# Altium PCB PicoBOB_DLX.pcbdoc (part 4 of 4)
Units mil, origin at the board's own origin, x right, y up, seen from the top; angles counter-clockwise.
Board outline 2219.49 x 2559.06 mil, 4 copper layers (Top Layer, G1_GND, G2_PWR, Bottom Layer), stack 23.756 mil thick; 146 components, 117 nets, 2972 pads, 241 vias.
Unrouted connection lines stored in the file: 14.
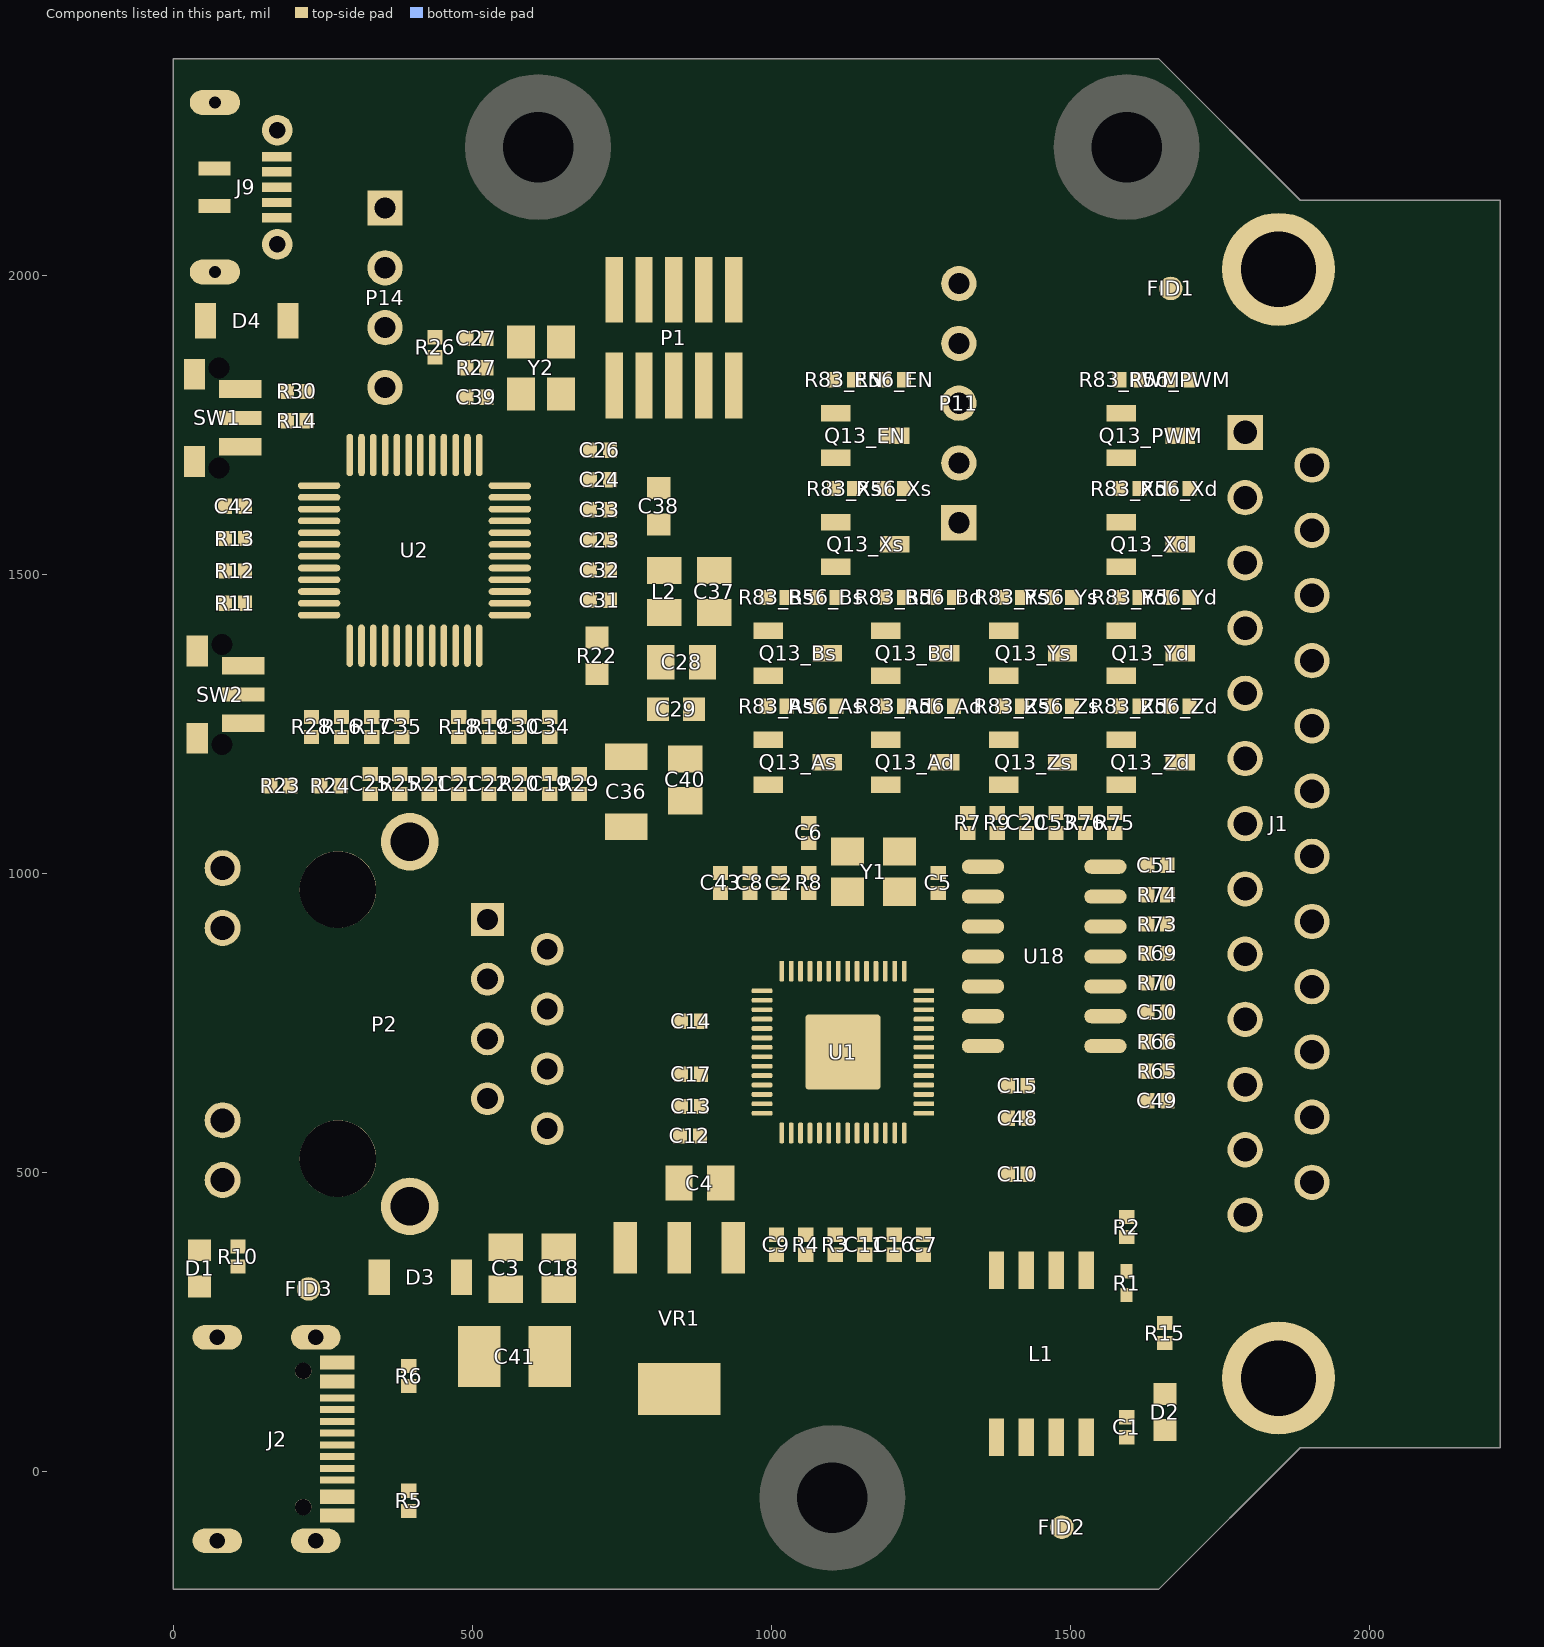
[diagram p6: the components of this part, seen from the top]

## Silkscreen, mask and mechanical layers (free items; w line width, h text height) (continued)
Bottom Solder:
  region: 2147.87,329.23 2171.47,328.04 2171.47,332.87 2148.3,331.67 cw(c2148.31,334.36) 2145.65,333.9 cw(c2151.69,334.13) 2145.67,334.65 2149.72,357.71 2141.13,354.6 cw(c2140.25,357.79) 2140.53,354.49 cw(c2140.53,356.23) 2139.17,355.13 2118.71,380.4 2116.05,374.71 cw(c2114.48,375.45) 2114.48,373.71 cw(c2114.48,375.45) 2113.93,373.79 2098.57,378.79 2101.66,364.23 cw(c2099.66,364.03) 2100.64,362.27 2094.01,359.46 2106.2,348.1 cw(c2105,346.83) 2106.74,346.83 cw(c2104.94,346.88) 2105.22,345.1 cw(c2105.4,358.71) 2104.67,345.12 2076.42,350.59 2081.5,341.81 cw(c2079.99,340.93) 2081.74,340.93 cw(c2079.99,340.93) 2080.77,339.37 2063.27,330.46 2080.77,321.54 cw(c2079.99,319.98) 2081.74,319.98 cw(c2079.99,319.98) 2081.5,319.1 2076.42,310.32 2104.67,315.8 cw(c2104.81,313.82) 2106.73,314.3 cw(c2104.74,314.18) 2106.2,312.82 2094.01,301.46 2100.64,298.64 cw(c2099.95,297.04) 2101.7,297.04 2098.57,282.13 2113.93,287.12 cw(c2114.48,285.46) 2114.48,287.21 cw(c2114.48,285.46) 2116.05,286.21 2118.71,280.52 2139.17,305.78 cw(c2140.53,304.68) 2140.53,306.43 cw(c2140.53,304.68) 2141.13,306.32 2149.72,303.2 2145.67,326.27 cw(c2156.68,327.2) 2145.64,326.83 cw(c2148.18,326.7)
  text "Designed in Canada" at 2141.68,1245.08 h100 r90
Mechanical 6:
  the board outline again, w10
Mechanical 15:
  lines w10: 8600,6131.73 8600,6231.72 8600.01,6231.73

## Text inside footprints (layer, text, board x,y; h text height)
J1: Top Overlay "25" at 1925.39,371.56 h40 r90; Top 3D Body "PCB Edge" at 2274.61,945.37 h40 r90
J9: Mechanical 13 "PCB EDGE" at -4.92,2318.9 h24 r90